# Altium PCB ETRX_Shield_II.PcbDoc (part 1 of 2) (continued)
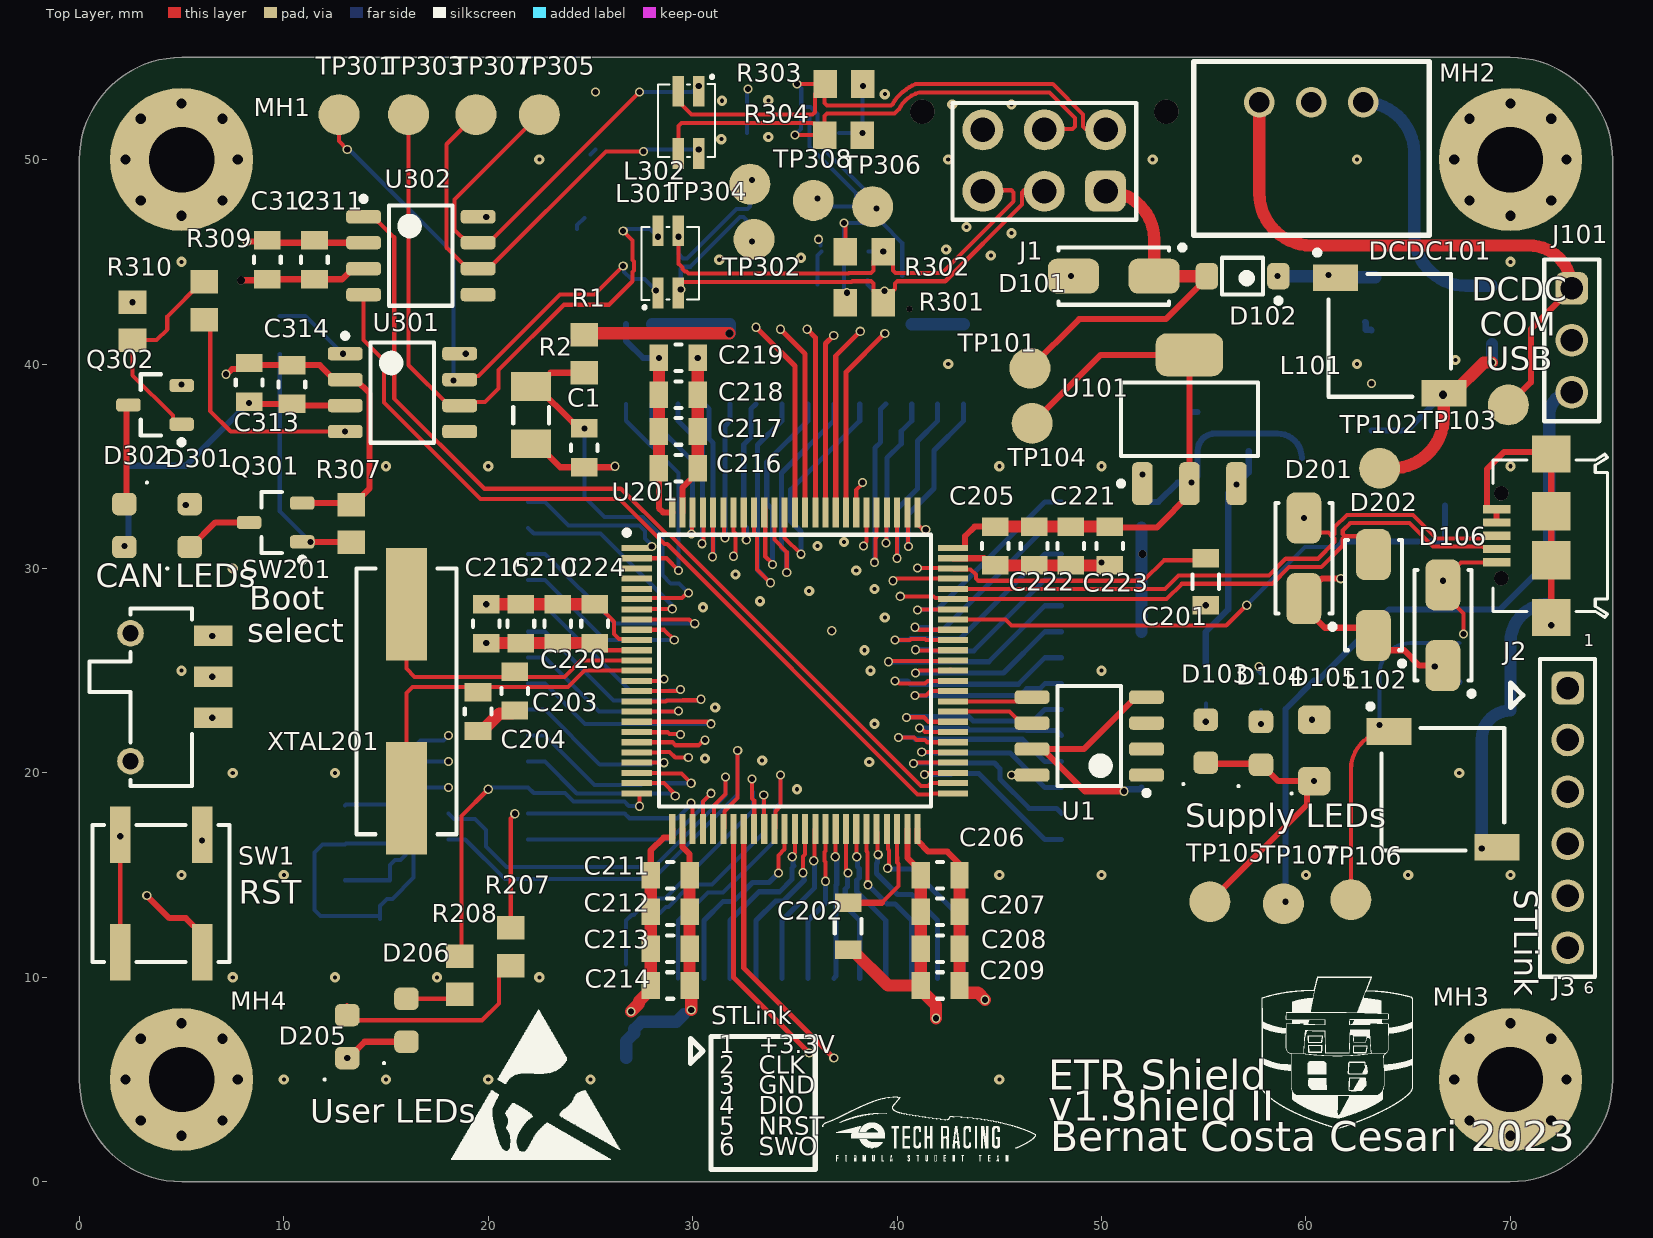
[diagram p0: Top Layer view]
## Part data (continued)
D301 D302: library part LEDYS-0805-120, "2 V Yellow LED 2012 (0805) SMD, Wurth Elektronik WL-SMCW 150080YS75000", Case Code (Imperial)=0805, Case Code (Metric)=2012, Color=Yellow, Forward Current=30mA, Forward Voltage=2V, Manufacturer 1="Wurth Electronics", Max Operating Temperature=85°C, Min Operating Temperature=-40°C, Package Quantity=4000, Supplier Part Number 1=8154231, Test Current=20mA, .Creator=DR, Case/Package=0805, Category=LEDs, ComponentLink1Description=Datasheet, ComponentLink1URL=https://www.we-online.com/catalog/datasheet/150080YS75000.pdf, ComponentLink2Description="Where buy it", ComponentLink2URL=https://katalog.we-online.de/en/led/WL-SMCW/150080YS75000, ComponentLink3Description=https://datasheet.ciiva.com/23843/150080ys75000-23843256.pdf?src-supplier=Newark, ComponentLink3URL=https://datasheet.ciiva.com/23843/150080ys75000-23843256.pdf?src-supplier=Newark, ComponentLink4Description=https://datasheet.ciiva.com/29279/759438-da-01-en-chipled-0805-w-kl-gelb-150080ys75000-29279034.pdf?src-supplier=Conrad, ComponentLink4URL=https://datasheet.ciiva.com/29279/759438-da-01-en-chipled-0805-w-kl-gelb-150080ys75000-29279034.pdf?src-supplier=Conrad, ComponentLink5Description=https://datasheet.ciiva.com/22656/1911353-22656971.pdf?src-supplier=Element14, ComponentLink5URL=https://datasheet.ciiva.com/22656/1911353-22656971.pdf?src-supplier=Element14, ComponentLink6Description=https://datasheet.ciiva.com/29563/150080ys75000-29563019.pdf?src-supplier=Digi-Key, ComponentLink6URL=https://datasheet.ciiva.com/29563/150080ys75000-29563019.pdf?src-supplier=Digi-Key, ComponentLink7Description=https://datasheet.ciiva.com/29563/150080ys75000-29563020.pdf?src-supplier=Digi-Key, ComponentLink7URL=https://datasheet.ciiva.com/29563/150080ys75000-29563020.pdf?src-supplier=Digi-Key, ComponentLink8Description=https://datasheet.ciiva.com/29563/150080ys75000-29563021.pdf?src-supplier=Digi-Key, ComponentLink8URL=https://datasheet.ciiva.com/29563/150080ys75000-29563021.pdf?src-supplier=Digi-Key, Dominant Wavelength=590nm, Height=0.7mm, Length=2mm, Lens Style=Clear,Rectangular, Luminous Intensity=120mcd, Manufacturer Part Number 1=150080YS75000, Mount="Surface Mount", Packaging="Tape and Reel", Pricing 1="50=0,19300, 500=0,12900, 750=0,12300, 1500=0,11700, 3000=0,11100 (USD)", REACH SVHC=Unknown, RoHS=Yes, RoHS Compliant=Yes, Stock 1=2100, Supplier 1=RSComponents, Viewing Angle=140°, Wavelength=590nm, Width=1.25mm
DCDC101: library part DCDC-42V/5V-1A, "Würth Elektronik 8-42V to 5V 1A DC-DC", Manufacturer 1="Wurth Electronics", Max Input Voltage=42V, Max Operating Temperature=85°C, Max Output Current=1A, Min Input Voltage=8V, Min Operating Temperature=-40°C, Supplier Part Number 1=1447809, Voltage - Output 1=5V, .Creator=DR, ComponentLink1Description=http://www.farnell.com/datasheets/2192895.pdf?src-supplier=Farnell, ComponentLink1URL=http://www.farnell.com/datasheets/2192895.pdf?src-supplier=Farnell, ComponentLink2Description=http://www.farnell.com/datasheets/2192895.pdf?src-supplier=Newark, ComponentLink2URL=http://www.farnell.com/datasheets/2192895.pdf?src-supplier=Newark, ComponentLink3Description=https://katalog.we-online.de/pm/datasheet/173010542.pdf?src-supplier=Digi-Key, ComponentLink3URL=https://katalog.we-online.de/pm/datasheet/173010542.pdf?src-supplier=Digi-Key, Efficiency=93%, Features=UVLO,OCP,OTP,SCP, Manufacturer Part Number 1=173010542, Mount="Through Hole", Number of Outputs=1, Packaging=Rail/Tube, Pricing 1="1=12,22500, 8=10,96900, 21=10,68900 (USD)", RoHS=Yes, RoHS Compliant=Yes, Stock 1=1, Supplier 1=RSComponents
F101 F102: library part Fuse_1A_63V_1206, "Fuse Chip Fast Acting 1A 63V SMD Solder Pad 1206 Ceramic T/R Automotive", Case Code (Imperial)=1206, Case Code (Metric)=3216, Current Rating=1A, Manufacturer=Littelfuse, Max Operating Temperature=150°C, Min Operating Temperature=-55°C, Supplier Part Number 1=F10001CT-ND, Voltage Rating (AC)=63V, .Creator=DO, Approvals=CSA,cURus, Case/Package=1206, Category=Fuses, ComponentLink1Description=https://www.littelfuse.com/~/media/electronics/datasheets/fuses/littelfuse_fuse_437a_datasheet.pdf.pdf?src-supplier=Digi-Key, ComponentLink1URL=https://www.littelfuse.com/~/media/electronics/datasheets/fuses/littelfuse_fuse_437a_datasheet.pdf.pdf?src-supplier=Digi-Key, ComponentLink2Description="Where buy it", ComponentLink2URL=https://www.mouser.es/ProductDetail/Littelfuse/0437001WRA?qs=DXv0QSHKF4z9CJhPXjxR%252BA%3D%3D, Fuse Type="Board Mount (Cartridge Style Excluded)", Manufacturer Part Number=0437001.WRA, Mount="Surface Mount", Packaging="Tape and Reel", Pricing 1="1=1,52000, 5=1,47000, 10=1,37600, 50=1,13860, 100=0,94880, 250=0,92508, 500=0,78276, 1000=0,68788 (USD)", RoHS=Yes, Stock 1=5820, Supplier 1=Digi-Key, Voltage Rating (DC)=63V
J1: library part J_MicroFit_2x3_V, "Micro fit Header, 2 Row, Vertical, Polarizing Peg, 6 Pin, Tin Plate, SMT/Glow Wire, Kinked Leads", Manufacturer=Molex, Manufacturer Part Number=43045-0612, Supplier Part Number 1=2332898, .Creator=DO, Category="Headers and Wire Housings", ComponentLink1Description=Datasheet, ComponentLink1URL=https://www.molex.com/pdm_docs/sd/430450612_sd.pdf, ComponentLink2Description=https://datasheet.ciiva.com/11748/0900766b800bd7d2-11748707.pdf?src-supplier=RSComponents, ComponentLink2URL=https://datasheet.ciiva.com/11748/0900766b800bd7d2-11748707.pdf?src-supplier=RSComponents, ComponentLink3Description=https://datasheet.ciiva.com/19462/883464-19462371.pdf?src-supplier=Jameco, ComponentLink3URL=https://datasheet.ciiva.com/19462/883464-19462371.pdf?src-supplier=Jameco, ComponentLink4Description=https://datasheet.ciiva.com/30194/128550430450612-pcb-headers-30194512.pdf?src-supplier=Onlinecomponents.com, ComponentLink4URL=https://datasheet.ciiva.com/30194/128550430450612-pcb-headers-30194512.pdf?src-supplier=Onlinecomponents.com, ComponentLink5Description=https://datasheet.ciiva.com/9468/0430450612-pcb-headers-9468492.pdf?src-supplier=Avnet, ComponentLink5URL=https://datasheet.ciiva.com/9468/0430450612-pcb-headers-9468492.pdf?src-supplier=Avnet, ComponentLink8Description="Where buy it", ComponentLink8URL=https://www.molex.com/molex/products/part-detail/pcb_headers/0430450612, Pricing 1="5=1,45500, 100=1,26700, 375=1,08900, 1500=0,90900, 3000=0,72900 (USD)", RoHS=Yes, Stock 1=2635, Supplier 1=RSComponents
J2: "WR-COM Micro USB 2.0 SMT Type B Horizontal 5 Contacts", Manufacturer="Wurth Elektronik", Operating Temperature Max=105°C, Operating Temperature Min=-40°C, Rated Current=1A, Working Voltage="30V (AC)", Application="Micro USB 2.0", Category="Input/Output Connectors", ComponentLink1Description="Website Link", ComponentLink1URL=https://www.we-online.com/redexpert/article/629105136821?ad, ComponentLink2Description="Datasheet Link", ComponentLink2URL=https://www.we-online.com/redexpert/spec/629105136821?ad, Gender=Receptacle, Interface Type="Type B", Manufacturer Part Number=629105136821, Match Code=WR-USB, Mount="Surface Mount", Number of Pins=5, Number of Ports=1, Orientation=Horizontal, Packaging="Tape and Reel"
J4 J5 J6 J7: "WR-PHD Pin Header, SMT, Vertical, pitch 1.27mm, 2 Row, 28P", Contact Resistance=20mΩ, Manufacturer="Wurth Elektronik", Operating Temperature Max=105°C, Operating Temperature Min=-40°C, Rated Current=1A, Withstanding Voltage=500V, Working Voltage=100V, Category="Board-to-Board Connectors", ComponentLink1Description="Website Link", ComponentLink1URL=https://www.we-online.com/redexpert/article/62132821021?ad, ComponentLink2Description="Datasheet Link", ComponentLink2URL=https://www.we-online.com/redexpert/spec/62132821021?ad, Gender="Pin Header", Manufacturer Part Number=62132821021, Match Code=WR-PHD, Mount="Surface Mount", Number of Pins=28, Number of Rows=2, Orientation=Vertical, Packaging="Tape and Reel", Pitch=1.27mm
J101: library part J_Jumper3
L101 L102: library part L_47u-490mA_CF, "Inductor Power Unshielded Wirewound 47uH 10% 100KHz Ferrite 490mA 546mOhm DCR T/R", Case/Package=Nonstandard, Current Rating=490mA, DC Resistance (DCR)=546mR, Manufacturer=Sumida, Manufacturer Part Number=CDC5D23BNP-470KC, Max Operating Temperature=100°C, Min Operating Temperature=-40°C, Package Quantity=2000, Supplier Part Number 1=851-CDC5D23BNP-470KC, Test Frequency=100kHz, Tolerance=10%, .Creator=GP, Category="Fixed Inductors", ComponentLink1Description=http://www.mouser.com/ds/2/390/CDC5D23B-465898.pdf?src-supplier=Mouser, ComponentLink1URL=http://www.mouser.com/ds/2/390/CDC5D23B-465898.pdf?src-supplier=Mouser, ComponentLink3Description=http://products.sumida.com/products/pdf/CDC5D23B.pdf?src-supplier=Digi-Key, ComponentLink3URL=http://products.sumida.com/products/pdf/CDC5D23B.pdf?src-supplier=Digi-Key, Core Material=Ferrite, Height=2.5mm, Height - Seated (Max)=0.098inch, Inductance=47uH, Lead Free="Lead Free", Length=0.228inch, Max DC Current=490mA, Mount="Surface Mount", Packaging="Tape and Reel", Pricing 1="1=0,95000, 10=0,71100, 50=0,71100, 100=0,59700, 1000=0,40600, 10000=0,38100 (USD)", RoHS=Yes, RoHS Compliant=Yes, Series=CDC5D23B, Shielding=Unshielded, Stock 1=3779, Supplier 1=Mouser, Termination=SMD/SMT, Weight=0.007584oz, Width=5.8mm
L301 L302: library part CMC-51uH-125mA, "Common Mode Noise Filter for CAN DCMR Class3 Compliance", Supplier Part Number 1=81-DLW32SH510XF2L, Specifications sheet=https://www.murata.com/products/productdata/8804914298910/QFLC9127.pdf?1681702277000, Supplier 1=Mouser
Q301 Q302: library part TRT-NPN-0.5/45-SOT23, "ON Semi BC817-25LT1G NPN Bipolar Transistor; 0.5 A; 45 V; 3-Pin SOT-23", Case/Package=SOT-23-3, Collector Base Voltage (VCBO)=50V, Collector Emitter Breakdown Voltage=45V, Collector Emitter Saturation Voltage=700mV, Current Rating=500mA, Emitter Base Voltage (VEBO)=5V, Frequency=100MHz, Package Quantity=1, Power Dissipation=300mW, Supplier Part Number 1=BC817-25LT1GOSCT-ND, .Creator=GP, Category=Transistor, Collector Emitter Voltage (VCEO)=45V, Collector-emitter Voltage-Max=700mV, ComponentLink1Description=Datasheet, ComponentLink2Description="Where buy it", ComponentLink3Description=https://datasheet.ciiva.com/27748/2010413-27748829.pdf?src-supplier=Jameco, ComponentLink3URL=https://datasheet.ciiva.com/27748/2010413-27748829.pdf?src-supplier=Jameco, ComponentLink4Description=https://datasheet.ciiva.com/15138/getdatasheetpartid-38405-15138602.pdf?src-supplier=Verical, ComponentLink4URL=https://datasheet.ciiva.com/15138/getdatasheetpartid-38405-15138602.pdf?src-supplier=Verical, ComponentLink5Description=https://datasheet.ciiva.com/1196/bc817-16lt1-d-1196558.pdf?src-supplier=Element14, ComponentLink5URL=https://datasheet.ciiva.com/1196/bc817-16lt1-d-1196558.pdf?src-supplier=Element14, ComponentLink6Description=https://datasheet.ciiva.com/22641/bc817-16lt1-d-22641013.pdf?src-supplier=Farnell, ComponentLink6URL=https://datasheet.ciiva.com/22641/bc817-16lt1-d-22641013.pdf?src-supplier=Farnell, ComponentLink7Description=https://datasheet.ciiva.com/22664/bc817-16lt1-d-22664204.pdf?src-supplier=Element14, ComponentLink7URL=https://datasheet.ciiva.com/22664/bc817-16lt1-d-22664204.pdf?src-supplier=Element14, ComponentLink8Description=https://datasheet.ciiva.com/22664/1842041-22664101.pdf?src-supplier=Element14, ComponentLink8URL=https://datasheet.ciiva.com/22664/1842041-22664101.pdf?src-supplier=Element14, ComponentLink9Description=https://datasheet.ciiva.com/4722/bc817-16lt1-d-104560-4722229.pdf?src-supplier=Mouser, ComponentLink9URL=https://datasheet.ciiva.com/4722/bc817-16lt1-d-104560-4722229.pdf?src-supplier=Mouser, ComponentLink10Description=https://datasheet.ciiva.com/1195/bc817-16lt1-d-1195763.pdf?src-supplier=Element14, ComponentLink10URL=https://datasheet.ciiva.com/1195/bc817-16lt1-d-1195763.pdf?src-supplier=Element14, ComponentLink11Description=https://datasheet.ciiva.com/1195/bc817-16lt1-d-1195764.pdf?src-supplier=Element14, ComponentLink11URL=https://datasheet.ciiva.com/1195/bc817-16lt1-d-1195764.pdf?src-supplier=Element14, ComponentLink12Description=https://datasheet.ciiva.com/11197/bc817-16lt1-d-11197514.pdf?src-supplier=Avnet, ComponentLink12URL=https://datasheet.ciiva.com/11197/bc817-16lt1-d-11197514.pdf?src-supplier=Avnet, ComponentLink13Description=https://datasheet.ciiva.com/25996/bc817-16lt1-d-25996327.pdf?src-supplier=Avnet+Europe, ComponentLink13URL=https://datasheet.ciiva.com/25996/bc817-16lt1-d-25996327.pdf?src-supplier=Avnet+Europe, ComponentLink14Description=https://datasheet.ciiva.com/976/bc817-16lt1-d-976357.pdf?src-supplier=Digi-Key, ComponentLink14URL=https://datasheet.ciiva.com/976/bc817-16lt1-d-976357.pdf?src-supplier=Digi-Key, ComponentLink15Description=https://datasheet.ciiva.com/976/bc817-16lt1-d-976358.pdf?src-supplier=Digi-Key, ComponentLink15URL=https://datasheet.ciiva.com/976/bc817-16lt1-d-976358.pdf?src-supplier=Digi-Key, ComponentLink16Description=https://datasheet.ciiva.com/976/bc817-16lt1-d-976356.pdf?src-supplier=Digi-Key, ComponentLink16URL=https://datasheet.ciiva.com/976/bc817-16lt1-d-976356.pdf?src-supplier=Digi-Key, Contact Plating=Tin,Matte, Element Configuration=Single, Gain Bandwidth Product=100MHz, Halogen Free="Halogen Free", Height=0.94mm, hFE Min=160, Lead Free="Lead Free", Length=2.9mm, Max Breakdown Voltage=45V, Max Collector Current=500mA, Max Frequency=100MHz, Number of Elements=1, Number of Pins=3, Pricing 1="1=0,20000, 10=0,18500, 100=0,10080, 500=0,06204, 1000=0,04229 (USD)", Radiation Hardening=No, REACH SVHC="No SVHC", RoHS Compliant=Yes, Series=-, Supplier 1=Digi-Key, Transition Frequency=100MHz, Width=1.3mm
R1: library part "R549k - 0805"
R2: library part R68k-1206FTK, "Resistor, AS 1206 68k1% 250mW TC100", Manufacturer=Bourns, Resistance=68kR, Supplier Part Number 1=16AH0632, .Creator=DO, Category="Chip SMD Resistors", ComponentLink1Description="Where buy it", ComponentLink1URL=https://www.mouser.es/ProductDetail/Bourns/CR1206AFX-6802EAS?qs=PzGy0jfpSMtMA5jyzS7M7w%3D%3D, ComponentLink2Description=Datasheet, ComponentLink2URL=https://www.mouser.es/datasheet/2/54/cr_a_as-1858644.pdf, Manufacturer Part Number=CR1206AFX-6802EAS, Pricing 1="1=0,01100, 25=0,01100, 50=0,01100, 100=0,01100, 250=0,01100, 500=0,01100 (USD)", RoHS=Yes, Stock 1=4700, Supplier 1=Newark
R101 R103 R305 R308: library part R470-0805FTK, "Res Thick Film 0805 470 Ohm 1% 1/8W ±100ppm/°C Molded SMD SMD Paper Tape on Plastic Reel", Case Code (Imperial)=0805, Case Code (Metric)=2012, Manufacturer 1=Bourns, Max Operating Temperature=155°C, Max Power Dissipation=125mW, Min Operating Temperature=-55°C, Resistance=470R, Resistance Tolerance=1%, Resistor Type="Thick Film", Temperature Coefficient=100ppm/°C, Voltage Rating=150V, .Creator=DR, Case/Package=0805, Category="Chip SMD Resistors", ComponentLink1Description=https://datasheet.ciiva.com/11808/0900766b80fcdb72-11808686.pdf?src-supplier=RSComponents, ComponentLink1URL=https://datasheet.ciiva.com/11808/0900766b80fcdb72-11808686.pdf?src-supplier=RSComponents, ComponentLink2Description=https://datasheet.ciiva.com/7985/1856384-7985880.pdf?src-supplier=Element14, ComponentLink2URL=https://datasheet.ciiva.com/7985/1856384-7985880.pdf?src-supplier=Element14, ComponentLink3Description=https://datasheet.ciiva.com/22693/1902866-22693247.pdf?src-supplier=Element14, ComponentLink3URL=https://datasheet.ciiva.com/22693/1902866-22693247.pdf?src-supplier=Element14, ComponentLink4Description=https://datasheet.ciiva.com/5541/chpreztr-5541930.pdf?src-supplier=Mouser, ComponentLink4URL=https://datasheet.ciiva.com/5541/chpreztr-5541930.pdf?src-supplier=Mouser, Construction=Rectangular, Contact Plating=Tin, Depth=1.25mm, Features="Moisture Resistant", Height=0.5mm, Length=2mm, Manufacturer Part Number 1=CR0805-FX-4700GLF, Military Standard=Not, Mount="Surface Mount", Number of Pins=2, Number of Terminations=2, Packaging="Tape and Reel", Power Rating=125mW, Pricing 1="1=0,00990, 10=0,00980, 25=0,00950, 50=0,00940, 100=0,00930, 250=0,00920, 500=0,00910, 1000=0,00890, 3000=0,00870, 6000=0,00860 (USD)", Radiation Hardening=No, REACH SVHC="No SVHC", RoHS=Yes, Series=CR0805, Stock 1=12623, Supplier 1="Arrow Electronics", Supplier Part Number 1=CR0805-FX-4700GLF, Technology="THICK FILM", Termination=SMD/SMT, Thickness=508um, Tolerance=1%, Voltage Rating (DC)=150V
R102 R207 R208: library part R100-0805FTK, "Res Thick Film 0805 100 Ohm 1% 1/8W ±100ppm/°C Molded SMD SMD Paper Tape on Plastic Reel", Case Code (Imperial)=0805, Case Code (Metric)=2012, Manufacturer 1=Bourns, Max Operating Temperature=155°C, Max Power Dissipation=125mW, Min Operating Temperature=-55°C, Package Quantity=1, Resistance=100R, Resistance Tolerance=1%, Resistor Type="Thick Film", Temperature Coefficient=100ppm/°C, Voltage Rating=150V, .Creator=DR, Case/Package=0805, Category="Chip SMD Resistors", ComponentLink1Description=https://datasheet.ciiva.com/11809/0900766b80fcdb72-11809178.pdf?src-supplier=RSComponents, ComponentLink1URL=https://datasheet.ciiva.com/11809/0900766b80fcdb72-11809178.pdf?src-supplier=RSComponents, ComponentLink2Description=https://datasheet.ciiva.com/6547/chpreztr-6547413.pdf?src-supplier=Digi-Key, ComponentLink2URL=https://datasheet.ciiva.com/6547/chpreztr-6547413.pdf?src-supplier=Digi-Key, ComponentLink3Description=https://datasheet.ciiva.com/6547/chpreztr-6547414.pdf?src-supplier=Digi-Key, ComponentLink3URL=https://datasheet.ciiva.com/6547/chpreztr-6547414.pdf?src-supplier=Digi-Key, ComponentLink4Description=https://datasheet.ciiva.com/6547/chpreztr-6547415.pdf?src-supplier=Digi-Key, ComponentLink4URL=https://datasheet.ciiva.com/6547/chpreztr-6547415.pdf?src-supplier=Digi-Key, ComponentLink5Description=https://datasheet.ciiva.com/9120/chpreztr-9120744.pdf?src-supplier=Avnet, ComponentLink5URL=https://datasheet.ciiva.com/9120/chpreztr-9120744.pdf?src-supplier=Avnet, Construction=Rectangular, Contact Plating=Tin, Depth=1.25mm, Features="Moisture Resistant", Height=0.5mm, Length=2mm, Manufacturer Part Number 1=CR0805-FX-1000ELF, Military Standard=Not, Mount="Surface Mount", Number of Pins=2, Number of Terminations=2, Packaging="Tape and Reel", Power Rating=125mW, Pricing 1="1=0,05840, 10=0,03430, 25=0,01780, 100=0,00750, 250=0,00560, 500=0,00490, 3000=0,00470 (USD)", Radiation Hardening=No, REACH SVHC="No SVHC", RoHS=Yes, RoHS Compliant=Yes, Series=CR0805, Stock 1=49802, Supplier 1="Arrow Electronics", Supplier Part Number 1=CR0805-FX-1000ELF, Technology="THICK FILM", Termination=SMD/SMT, Thickness=508um, Tolerance=1%, Voltage Rating (DC)=150V, Width=1.25mm
R201: library part R620k-0805FTK
R202: library part R430k-0805FTK
R203: library part R1.6K-1206FTK, "Res Thick Film 1206 1.6K Ohm 1% 1/4W ±100ppm/°C Molded SMD SMD Paper T/R", Case Code (Imperial)=1206, Case Code (Metric)=3216, Manufacturer 1=Vishay, Max Operating Temperature=155°C, Max Power Dissipation=250mW, Min Operating Temperature=-55°C, Package Quantity=5000, Resistance=1k6, Resistance Tolerance=1%, Resistor Type="Thick Film", Supplier Part Number 1=541-1.60KFCT-ND, Temperature Coefficient=100ppm/°C, Voltage Rating=200V, .Creator=DO, Case/Package=1206, Category="Chip SMD Resistors", ComponentLink1Description=https://datasheet.ciiva.com/11811/0900766b80d98b5e-11811377.pdf?src-supplier=RSComponents, ComponentLink1URL=https://datasheet.ciiva.com/11811/0900766b80d98b5e-11811377.pdf?src-supplier=RSComponents, ComponentLink2Description=https://datasheet.ciiva.com/2515/dcrcwe3-2515616.pdf?src-supplier=Digi-Key, ComponentLink2URL=https://datasheet.ciiva.com/2515/dcrcwe3-2515616.pdf?src-supplier=Digi-Key, ComponentLink3Description=https://datasheet.ciiva.com/2515/dcrcwe3-2515617.pdf?src-supplier=Digi-Key, ComponentLink3URL=https://datasheet.ciiva.com/2515/dcrcwe3-2515617.pdf?src-supplier=Digi-Key, ComponentLink4Description=https://datasheet.ciiva.com/2515/dcrcwe3-2515618.pdf?src-supplier=Digi-Key, ComponentLink4URL=https://datasheet.ciiva.com/2515/dcrcwe3-2515618.pdf?src-supplier=Digi-Key, ComponentLink5Description=https://datasheet.ciiva.com/9098/dcrcwe3-9098889.pdf?src-supplier=Avnet, ComponentLink5URL=https://datasheet.ciiva.com/9098/dcrcwe3-9098889.pdf?src-supplier=Avnet, ComponentLink6Description=https://datasheet.ciiva.com/16213/dcrcwe3-16213498.pdf?src-supplier=Future+Electronics, ComponentLink6URL=https://datasheet.ciiva.com/16213/dcrcwe3-16213498.pdf?src-supplier=Future+Electronics, ComponentLink7Description=https://datasheet.ciiva.com/17203/dcrcwe3-17203786.pdf?src-supplier=Avnet+Europe, ComponentLink7URL=https://datasheet.ciiva.com/17203/dcrcwe3-17203786.pdf?src-supplier=Avnet+Europe, ComponentLink8Description=https://datasheet.ciiva.com/7670/1697337-7670316.pdf?src-supplier=Element14, ComponentLink8URL=https://datasheet.ciiva.com/7670/1697337-7670316.pdf?src-supplier=Element14, ComponentLink9Description=https://datasheet.ciiva.com/7670/1697337-7670317.pdf?src-supplier=Element14, ComponentLink9URL=https://datasheet.ciiva.com/7670/1697337-7670317.pdf?src-supplier=Element14, ComponentLink10Description=https://datasheet.ciiva.com/5550/dcrcwe3-109170-5550718.pdf?src-supplier=Mouser, ComponentLink10URL=https://datasheet.ciiva.com/5550/dcrcwe3-109170-5550718.pdf?src-supplier=Mouser, ComponentLink11Description=RS, ComponentLink11URL=https://es.rs-online.com/web/p/resistencias-fijas-para-montaje-en-superficie/6791866/, Construction=Rectangular, Contact Plating=Tin, Depth=1.6mm, Features="Automotive AEC-Q200", Height=0.55mm, Lead Free="Lead Free", Length=3.2mm, Manufacturer Part Number 1=CRCW12061K60FKEA, Military Standard=Not, Number of Pins=2, Number of Terminations=2, Packaging="Tape and Reel", Power Rating=250mW, Pricing 1="1=0,10000, 10=0,08200, 100=0,03160, 1000=0,01392, 2500=0,01202 (USD)", Radiation Hardening=No, REACH SVHC=Unknown, RoHS=Yes, RoHS Compliant=Yes, Series=CRCW, Size Code=1206, Supplier 1=Digi-Key, Technology="THICK FILM", Termination=SMD/SMT, Tolerance=1%, Voltage Rating (DC)=200V, Weight=0.000353oz, Width=0.063inch
R301 R302 R303 R304: "Res Thin Film 0805 60.4 Ohm 0.1% 1/8W ±25ppm/°C Molded SMD SMD Punched Carrier T/R", Case Code (Imperial)=0805, Case Code (Metric)=2012, Manufacturer 1=Panasonic, Manufacturer Part Number 1=ERA-6AEB60R4V, Max Operating Temperature=155°C, Max Power Dissipation=125mW, Min Operating Temperature=-55°C, Package Quantity=5000, Resistance=60.4R, Resistor Type="Thin Film,Metal Film", Temperature Coefficient=25ppm/°C, Tolerance=0.1%, Voltage Rating=200V, Voltage Rating (DC)=100V, .Creator=DR, Case/Package=0805, Category="Chip SMD Resistors", ComponentLink1Description=https://datasheet.ciiva.com/11811/0900766b80eb1d8c-11811180.pdf?src-supplier=RSComponents, ComponentLink1URL=https://datasheet.ciiva.com/11811/0900766b80eb1d8c-11811180.pdf?src-supplier=RSComponents, ComponentLink2Description=https://datasheet.ciiva.com/41450/001181146-da-01-en-widerstand-era-0805-60r4-0-1-5000st-41450303.pdf?src-supplier=Conrad, ComponentLink2URL=https://datasheet.ciiva.com/41450/001181146-da-01-en-widerstand-era-0805-60r4-0-1-5000st-41450303.pdf?src-supplier=Conrad, ComponentLink3Description=https://datasheet.ciiva.com/5951/485442-5951173.pdf?src-supplier=Farnell, ComponentLink3URL=https://datasheet.ciiva.com/5951/485442-5951173.pdf?src-supplier=Farnell, ComponentLink4Description=https://datasheet.ciiva.com/30184/54aoa0000ce26-30184022.pdf?src-supplier=Onlinecomponents.com, ComponentLink4URL=https://datasheet.ciiva.com/30184/54aoa0000ce26-30184022.pdf?src-supplier=Onlinecomponents.com, ComponentLink5Description=https://datasheet.ciiva.com/9188/aoa0000ce26-9188476.pdf?src-supplier=Avnet, ComponentLink5URL=https://datasheet.ciiva.com/9188/aoa0000ce26-9188476.pdf?src-supplier=Avnet, Contact Plating=Tin, Depth=1.25mm, Features="Automotive AEC-Q200", Height=0.5mm, Lead Free="Lead Free", Length=2mm, Mount="Surface Mount", Number of Pins=2, Number of Terminations=2, Packaging="Tape and Reel", Power Rating=125mW, Pricing 1="1=0,04650, 10=0,03900, 100=0,02860 (USD)", Radiation Hardening=No, RoHS=Yes, Stock 1=5000, Supplier 1="Arrow Electronics", Supplier Part Number 1=ERA-6AEB60R4V, Termination=SMD/SMT, Weight=0.000194oz, Width=1.25mm
R306 R309: library part R47kR-0805FTK
R307 R310: library part R22k-0805FTK
SW1: "WS-TASV J-Hook SMT Hermetic Tact Switch, L6 x W6 x H3.4mm, 250g, SPST-NO, 12V, 50mA", Manufacturer="Wurth Elektronik", Operating Temperature Max=85°C, Operating Temperature Min=-40°C, Rated Current=50mA, Rated Voltage (DC)=12V, Category="Tact Switches", Circuit=SPST-NO, ComponentLink1Description="Website Link", ComponentLink1URL=https://www.we-online.com/redexpert/article/430773034825?ad, ComponentLink2Description="Datasheet Link", ComponentLink2URL=https://www.we-online.com/redexpert/spec/430773034825?ad, Contact Material="Stainless Steel", Contact Plating=Silver, Height=3.4mm, Length=6mm, Manufacturer Part Number=430773034825, Match Code=WS-TASV, Mount="Surface Mount", Operation Force=250g, Packaging="Tape and Reel", Terminal Material="Copper Alloy", Terminal Plating=Silver, Washable=Yes, Width=6mm
SW201: "WS-SLSU SMT Mini Slide Switch Same Side Connection, SPDT, 5VDC, 300mA, 225g", Manufacturer="Wurth Elektronik", Operating Temperature Max=85°C, Operating Temperature Min=-40°C, Rated Current=300mA, Rated Voltage=5VDC, Category="Slide Switches", Circuit=SPDT, ComponentLink1Description="Website Link", ComponentLink1URL=https://www.we-online.com/redexpert/article/450405020524?ad, ComponentLink2Description="Datasheet Link", ComponentLink2URL=https://www.we-online.com/redexpert/spec/450405020524?ad, Contact Material="Copper Alloy", Contact Plating=Silver, Height=2mm, Length=8.7mm, Manufacturer Part Number=450405020524, Match Code=WS-SLSU, Mount="Surface Mount", Operation Force=225g, Packaging="Tape and Reel", Terminal Material="Copper Alloy", Terminal Plating=Silver, Width=3mm
TP101 TP102 TP103 TP104 TP105 TP106 TP107 TP301 TP302 TP303 TP304 TP305 TP306 TP307 TP308: "Test Point 1x1 mm", .Creator=GP, .PCBcheck=GP, .SCHcheck=GP, Category=TestPoint
U1: library part "EEPROM 24AA02I2C 2K Microchip", "24AA02 / 2Kb I2C compatible 2-wire Serial EEPROM", Supplier Part Number 1=24AA02-I/SN, ComponentLink1Description=Datasheet, ComponentLink1URL=https://ww1.microchip.com/downloads/aemDocuments/documents/MPD/ProductDocuments/DataSheets/24AA02-24LC02B-24FC02-2K-I2C-Serial-EEPROM-20001709N.pdf, Supplier 1="Arrow Electronics"
U101: library part LDO_10V-0.8/3V3-SOT223, "LDO Regulator Pos 3.3V 0.8A 4-Pin(3+Tab) SOT-223 T/R / IC REG LDO 3.3V 0.8A SOT223", Case/Package=SOT-223, Current Rating=800A, Dropout Voltage=1.2V, Manufacturer="Texas Instruments", Max Input Voltage=15V, Max Operating Temperature=125°C, Max Output Current=800mA, Max Supply Voltage=10V, Min Input Voltage=2.6V, Min Operating Temperature=-40°C, Min Supply Voltage=4.75V, Nominal Output Voltage=3.3V, Output Voltage Accuracy=1%, Package Quantity=1000, Quiescent Current=15mA, Supplier Part Number 1=LM1117IMP-3.3/NOPBCT-ND, .Creator=GP, Accuracy=1%, Category=LDO, ComponentLink1Description=Datasheet, ComponentLink1URL=https://www.ti.com/lit/ds/symlink/lm1117.pdf?HQS=dis-mous-null-mousermode-dsf-pf-null-wwe&DCM=yes&ref_url=https%3A%2F%2Fwww.mouser.de%2F&distId=26, ComponentLink2Description="Where buy it", ComponentLink2URL=https://www.mouser.es/ProductDetail/Texas-Instruments/LM1117IMP-33-NOPB?qs=X1J7HmVL2ZFbpN1TgOsjYQ%3D%3D, ComponentLink3Description=https://datasheet.ciiva.com/27051/1281318-27051810.pdf?src-supplier=Jameco, ComponentLink3URL=https://datasheet.ciiva.com/27051/1281318-27051810.pdf?src-supplier=Jameco, ComponentLink4Description=https://datasheet.ciiva.com/8042/1670636-8042261.pdf?src-supplier=Element14, ComponentLink4URL=https://datasheet.ciiva.com/8042/1670636-8042261.pdf?src-supplier=Element14, ComponentLink5Description=https://datasheet.ciiva.com/1570/1849796-1570171.pdf?src-supplier=Farnell, ComponentLink5URL=https://datasheet.ciiva.com/1570/1849796-1570171.pdf?src-supplier=Farnell, ComponentLink6Description=https://datasheet.ciiva.com/14149/lm1117-eng-tds-14149980.pdf?src-supplier=Distrelec, ComponentLink6URL=https://datasheet.ciiva.com/14149/lm1117-eng-tds-14149980.pdf?src-supplier=Distrelec, ComponentLink7Description=https://datasheet.ciiva.com/46386/1882372-46386042.pdf?src-supplier=Element14, ComponentLink7URL=https://datasheet.ciiva.com/46386/1882372-46386042.pdf?src-supplier=Element14, ComponentLink8Description=https://datasheet.ciiva.com/3223/lm1117-n-3223515.pdf?src-supplier=Avnet, ComponentLink8URL=https://datasheet.ciiva.com/3223/lm1117-n-3223515.pdf?src-supplier=Avnet, ComponentLink9Description=https://datasheet.ciiva.com/6580/lm1117-n-6580030.pdf?src-supplier=Digi-Key, ComponentLink9URL=https://datasheet.ciiva.com/6580/lm1117-n-6580030.pdf?src-supplier=Digi-Key, ComponentLink10Description=https://datasheet.ciiva.com/6580/lm1117-n-6580026.pdf?src-supplier=Digi-Key, ComponentLink10URL=https://datasheet.ciiva.com/6580/lm1117-n-6580026.pdf?src-supplier=Digi-Key, Height=1.6mm, Lead Free="Lead Free", Length=6.5mm, Manufacturer Part Number=LM1117IMP-3.3/NOPB, Min Current Limit=800mA, Mount="Surface Mount", Number of Outputs=1, Number of Pins=4, Number of Regulators=1, Output Current=800mA, Output Type=Fixed, Output Voltage=3.3V, Packaging="Tape and Reel", Polarity=Positive, Pricing 1="1=1,41000, 10=1,26300, 25=1,19920, 100=0,98500, 250=0,92072, 500=0,81366 (USD)", Radiation Hardening=No, REACH SVHC="No SVHC", RoHS=Yes, RoHS Compliant=Yes, Supplier 1=Digi-Key, Termination=SMD/SMT, Width=3.56mm
U201: "ARM Microcontrollers - MCU 16/32-BITS MICROS", Manufacturer_Name=STMicroelectronics, Mouser Part Number=511-STM32F777VIT6, Datasheet Link=https://www.st.com/resource/en/datasheet/stm32f777vi.pdf, Geometry.Height=1.6mm, Manufacturer_Part_Number=STM32F777VIT6, Mouser Price/Stock=https://www.mouser.co.uk/ProductDetail/STMicroelectronics/STM32F777VIT6?qs=qzCNEk%252BRr%252BbclRoyC9pexg%3D%3D
U301: library part "Transceiver CAN MCP2551 I/SN"
U302: library part "Transceiver CAN MCP2551 I/SN", Supplier Part Number 1=MCP2551T-I/SN, Supplier 1="Arrow Electronics"
XTAL201: library part XTAL20M_SMD, "830028710, 20 MHz", Frequency="20 MHz", Frequency Stability="+-50 ppm", Manufacturer="Würth Elektronik", Max operating temperature.=85ºC, Min Operating Temperature=-40ºC, Supplier Part Number 1=1923-830028710CT-ND, .Creator=GP, Category=XTAL, ComponentLink1Description=Datasheet, ComponentLink1URL=https://www.we-online.com/catalog/datasheet/830028710.pdf, ComponentLink2Description="Where buy it", Drive level="500µW max", Manufacturer Part Number=830028710, Number of Pins=2, Packaging=Reel, Pricing 1="1=0,37000, 10=0,28100, 50=0,26800, 100=0,24400, 500=0,22000 (USD)", RoHS=Yes, Stock 1=975, Supplier="Würth Elektronik", Supplier 1=Digi-Key, Type=SMD

## Via types
v1: diameter 0.45, hole 0.3, Top Layer to Bottom Layer, 167 vias
v2: diameter 0.5, hole 0.2, Top Layer to Bottom Layer, 66 vias
v3: diameter 0.5, hole 0.5, Top Layer to Bottom Layer, 32 vias
v4: diameter 0.4, hole 0.4, Top Layer to Bottom Layer, 4 vias
v5: diameter 0.3, hole 0.3, Top Layer to Bottom Layer, 1 vias

## Nets (pads, with @x,y where several pads share a name; then routed paths per layer and width w, separated by ;. In a path a pad name is that pad's centre, name@x,y a point inside that pad or via, vN(x,y) a via of type N, cw(c..) or ccw(c..) an arc to the next point about the centre after c; other vN are vias at no path point)
"5V supply": DCDC101.3 J101.1 TP103.1 | length 29.4
  Top Layer w0.3: TP103.1@69.9,38 71,39.1 71,41.7 J101.1@73,43.7
  Top Layer w0.6: DCDC101.3@57.72,52.8 57.72,48.34 ccw(c60.26,48.34) 60.26,45.8 70.9,45.8 cw(c70.9,43.7) J101.1@73,43.7
+3.3: C105.2 C205.1 C206.1 C207.1 C208.1 C209.1 C210.1 C211.1 C212.1 C213.1 C214.1 C215.1 C216.1 C217.1 C218.1 C219.1 C220.1 C221.1 C222.1 C223.1 C224.1 J3.1 J5.2 J6.1 J7.1 R102.1 R203.2 SW201.L1 TP104.1 U1.8 U101.2 U101.4 U201.11 U201.27 U201.50 U201.75 U201.100 | length 83.1
  Top Layer w0.2: v1(6.5,26.7) SW201.L1@6.55,26.7 ; C224.1@25.2,26.35 25.55,26 U201.11@27.262,26
  Top Layer w0.3: C216.1@28.35,34.9 28.35,32.95 28.562,32.738 U201.100@29,32.738 ; U201.27@29.5,17.262 29.5,16.38 29.85,16.03 C211.1@29.85,15 ; U201.50@41,17.262 41,16.674 41.524,16.15 42.45,16.15 C206.1@43.1,15.5 ; U201.75@42.738,31 43.326,31 43.326,31.588 43.788,32.05 C205.1@44.8,32.05 ; v1(45.603,19.903) 45.607,19.899 46.596,19.899 U1.8@46.6,19.895 ; TP104.1@46.6,37.1 49.95,40.45 U101.4@54.3,40.45 54.3,34.3 v1(54.4,34.2) 54.4,33.7 52.7,32 50.45,32 C223.1@50.4,32.05
  Top Layer w0.6: v1(19.9,26.35) C210.1@21.6,26.35 C220.1@23.4,26.35 C224.1@25.2,26.35 ; C216.1@28.35,34.9 C217.1@28.35,36.7 C218.1@28.35,38.5 v1(28.35,40.3) ; C211.1@29.85,15 C212.1@29.85,13.2 C213.1@29.85,11.4 C214.1@29.85,9.6 29.932,9.518 v1(29.932,8.405) ; C206.1@43.05,15 C207.1@43.05,13.2 C208.1@43.05,11.4 C209.1@43.05,9.6 43.05,9.4 43.2,9.25 43.95,9.25 v1(44.3,8.9) ; C205.1@44.8,32.05 C222.1@46.7,32.05 C221.1@48.5,32.05 C223.1@50.4,32.05
  Bottom Layer w0.3: J7.1@26.745,41.95 26.745,41.125 27.57,40.3 v1(28.35,40.3) ; J6.1@51.95,33.255 52.775,33.255 53.72,34.2 v1(54.4,34.2) 54.7,34.5 C105.2@54.7,35.75 cw(c55.55,35.75) 55.55,36.6 58.6,36.6 cw(c58.6,35.4) R203.2@59.8,35.4 ; v1(57.7,25.2) 57.7,25.025 R102.1@57.8,24.925
  Bottom Layer w0.6: J5.2@26.745,6.05 26.745,6.875 27.14,7.27 27.14,7.457 27.508,7.825 29.211,7.825 29.579,8.192
+5: C104.1 C311.1 C312.1 C313.1 C314.1 J7.23 J7.25 J7.27 J101.2 R101.1 R305.1 R308.1 U101.3 U301.3 U302.3 | length 113.8
  Top Layer w0.3: v4(7.9,44.1) 9.15,44.1 ccw(c9.15,44.15) C312.1@9.2,44.15 C311.1@11.5,44.15 12.853,44.15 13.368,44.665 U302.3@13.9,44.665 ; C313.1@8.3,38.15 8.4,38.05 C314.1@10.4,38.05 10.485,37.965 U301.3@13,37.965
  PWR w0.6: v1(8.3,38.1) cw(c8.3,38.5) 7.9,38.5 v4(7.9,44.1) ccw(c9.3,44.1) 9.3,42.7 v5(40.6,42.7) 40.6,42 41.44,41.16 59.14,41.16 ; v1(56.6,34.1) 56.6,38.62 cw(c59.14,38.62) 59.14,41.16 ; J101.2@73,41.16 59.14,41.16
  Bottom Layer w0.3: R308.1@2.4,35.025 R305.1@5.1,35.025 5.2,35.025 8.275,38.1 v1(8.3,38.1) ; R101.1@55.1,25.25 55.1,26.9 56.2,28 56.2,33.7 57.2,34.7 C104.1@57.2,35.75
  Bottom Layer w0.6: J7.23@40.715,41.95 J7.25@41.985,41.95 J7.27@43.255,41.95
CAN1_H: C303.1 J1.2 L301.4 R301.2 TP302.1 | length 31.2
  Top Layer w0.2: L301.4@29.3,43.175 L301.4@29.3,43.475 29.3,43.529 v1(29.417,43.646) 29.417,43.963 29.475,44.021 37.783,44.021 37.812,44.05 38.733,44.05 38.85,43.933 38.85,43.575 v1(39.382,43.575) ; R301.2@39.325,43 39.533,43.208 R301.2@39.533,43.383 ; J1.2@47.4,48.5 46.217,48.5 46.1,48.383 46.1,47.796 42.354,44.05 40.024,44.05 39.907,43.933 39.907,43.682 39.8,43.575 39.8,43.475 R301.2@39.641,43.316 ; v1(39.382,43.575) 39.533,43.575 R301.2@39.533,43.383 ; v1(39.382,43.575) 39.553,43.403 R301.2@39.641,43.316 ; R301.2@39.533,43.383 39.325,43.175 39.5,43.175 R301.2@39.641,43.316
  Bottom Layer w0.2: v1(29.417,43.646) 29.417,44.643 29.534,44.76 29.893,44.76 32.317,47.184 32.483,47.184 32.6,47.067 32.6,46.3 v1(32.9,46) ; C303.1@38.55,44.1 38.55,43.9 38.9,43.55 38.9,43.575 v1(39.382,43.575)
CAN1_L: C304.1 J1.3 L301.3 R302.2 TP304.1 | length 29.9
  Top Layer w0.2: v1(29.3,46.225) 29.3,44.9 29.324,44.9 29.5,44.724 29.5,44.642 29.617,44.525 29.699,44.525 29.803,44.421 37.617,44.421 37.646,44.45 38.733,44.45 38.85,44.567 38.85,45.025 v1(39.325,45.5) 39.8,45.025 39.8,44.567 39.917,44.45 42.188,44.45 45.7,47.962 45.7,48.383 45.583,48.5 J1.3@44.4,48.5
  Bottom Layer w0.2: v1(29.3,46.225) 29.3,45.394 29.534,45.16 29.727,45.16 32.151,47.584 32.683,47.584 32.8,47.701 v1@32.8,48.8 ; C304.1@38.6,45.5 v1(39.325,45.5)
  other v1: 32.9,49
CAN1_RX: R309.1 U201.81 U301.4 | length 41.1
  Top Layer w0.2: R309.1@6.1,42.175 6.4,41.875 6.4,37.7 7.405,36.695 v1(13,36.695) ; v1(38.36,31.1) 38.36,31.168 38.5,31.308 U201.81@38.5,32.738
  PWR w0.2: v1(13,36.695) 13.002,36.695 13.372,36.325 33.3,36.325 38,31.625 38,31.483 38.36,31.124 v1(38.36,31.1)
CAN1_TX: R306.1 U201.82 U301.1 | length 33.5
  Top Layer w0.2: U201.82@38,32.738 38,33.832 38.3,34.132 v1(38.3,34.2)
  PWR w0.2: v1(12.9,40.5) 13.675,39.725 32.775,39.725 v1(38.3,34.2)
  Bottom Layer w0.2: R306.1@9.8,42.35 11.05,42.35 v1(12.9,40.5)
CAN2_H: C308.1 J1.4 L302.4 R303.2 TP306.1 | length 35.3
  Top Layer w0.2: L302.4@29.475,53.525 29.475,52.675 29.95,52.2 35.858,52.2 35.975,52.317 35.975,53.225 R303.2@36.45,53.7 ; v1(35.1,53.7) R303.2@36.45,53.7 ; J1.4@50.4,51.5 49.217,51.5 49.1,51.617 49.1,52.204 47.615,53.689 41.018,53.689 40.893,53.689 ccw(c41.523,52.069) 40.456,53.441 40.445,53.433 cw(c40.321,53.59) 40.432,53.423 ccw(c41.544,51.726) 40.11,53.162 ccw(c41.436,51.833) 39.786,52.729 39.766,52.709 39.708,52.65 36.567,52.65 36.45,52.767 R303.2@36.45,53.7
  Bottom Layer w0.2: v1(35.1,53.7) 35.312,53.488 35.312,52.696 35.429,52.579 35.761,52.579 36.112,52.228 36.112,50.814 38.4,48.526 38.4,47.717 38.517,47.6 v1(39,47.6)